# Altium PCB 飞镖电源TPS54202.PcbDoc
Units mil, origin at the board's own origin, x right, y up, seen from the top; angles counter-clockwise.
Board outline 1210 x 1210 mil, 2 copper layers (Top Layer, Bottom Layer); 21 components, 13 nets, 49 pads, 12 vias.
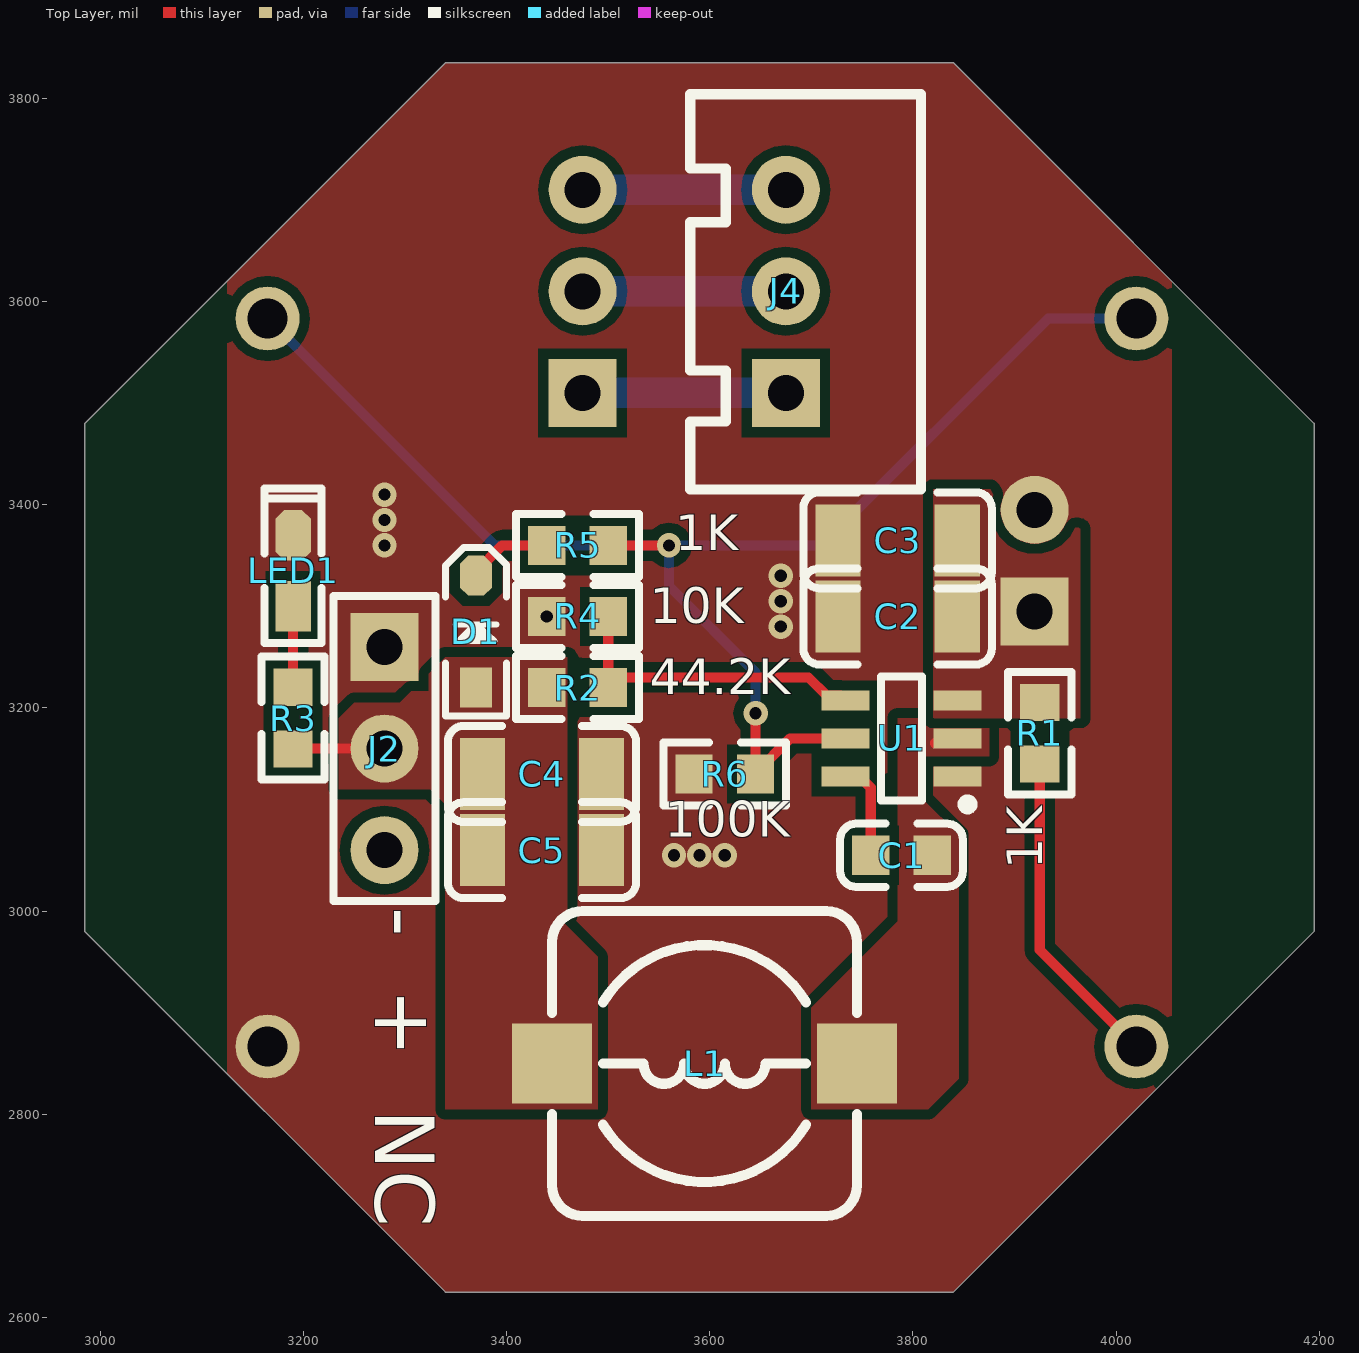
[diagram p0: Top Layer view]
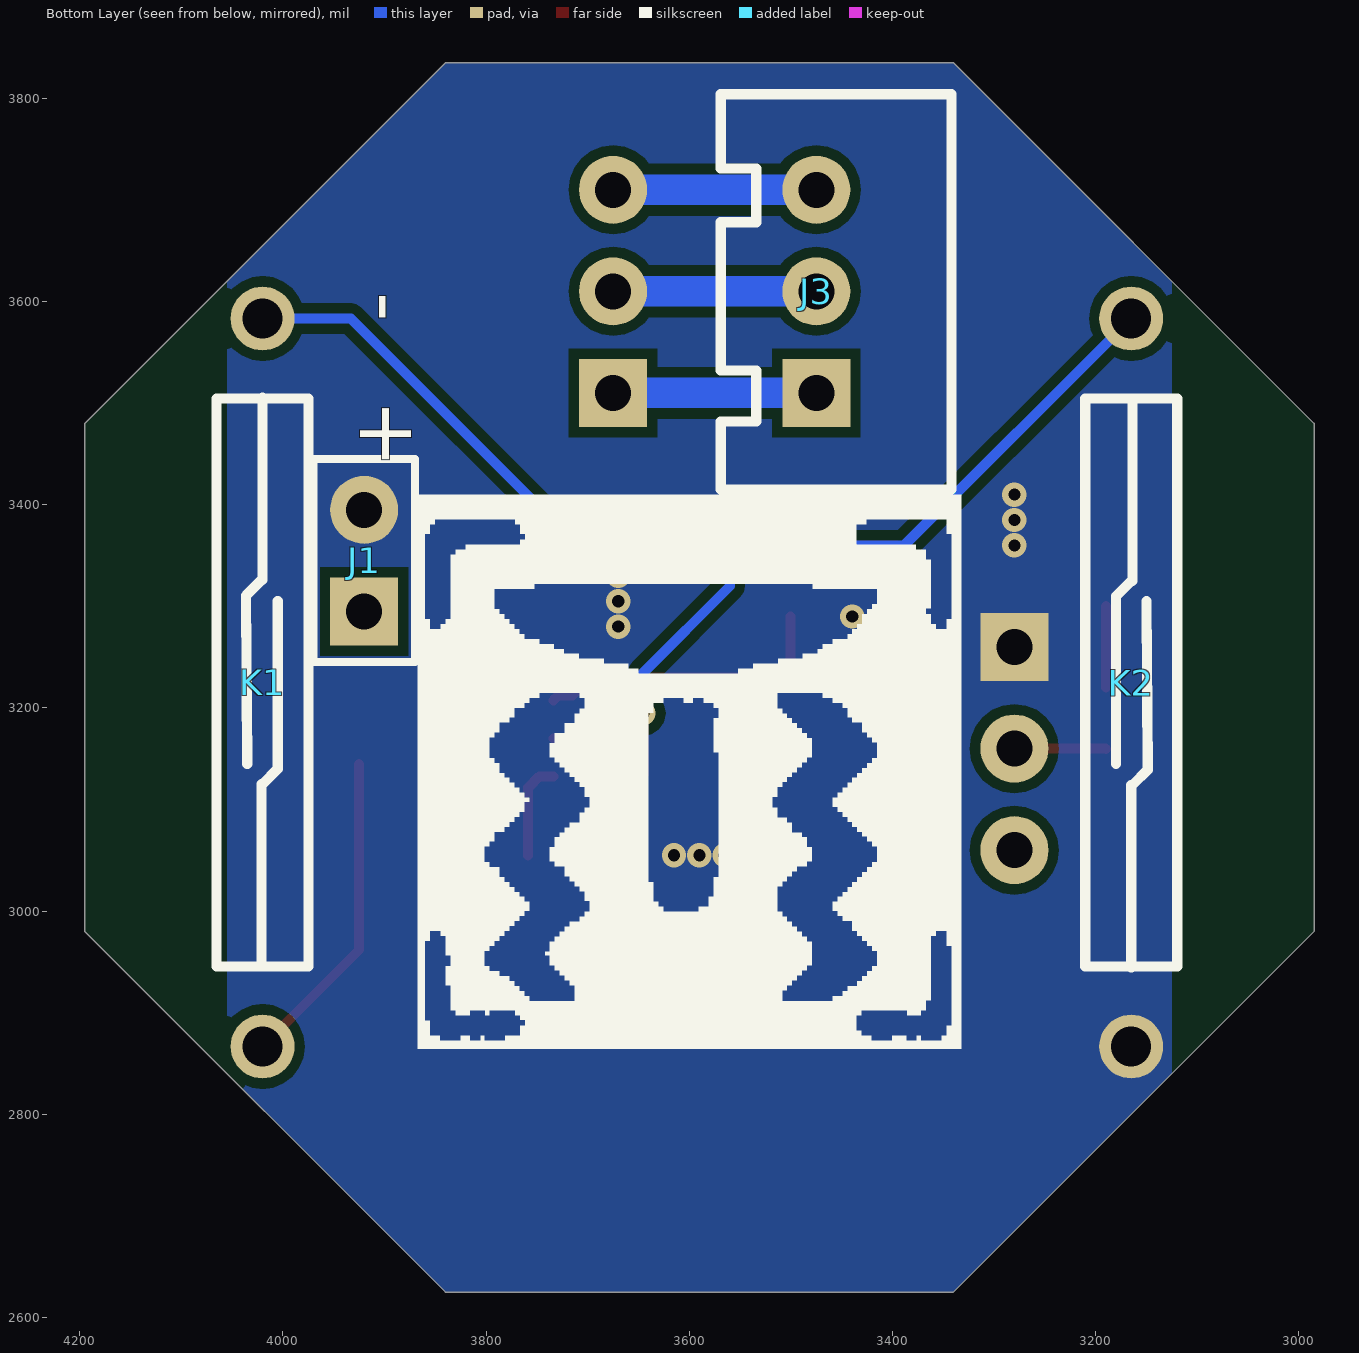
[diagram p1: Bottom Layer view, seen from below]

## Layer stack, top to bottom
Top Solder: solder mask 0.4, Solder Resist, Dk 3.5
Top Layer: signal copper 1.4
Dielectric 1: dielectric 12.6, FR-4, Dk 4.8
Bottom Layer: signal copper 1.4
Bottom Solder: solder mask 0.4, Solder Resist, Dk 3.5

## Board outline
2985,2980 2985,3480 3340,3835 3840,3835 4195,3480 4195,2980 3840,2625 3340,2625

## Design rules (kind name [scope] priority, off if disabled: settings)
Clearance [All] p1: gap=10 ignorepadtopadclearanceinfootprint=FALSE
PolygonConnect [All] p1: connectstyle=Direct reliefconductorwidth=10 reliefentries=4 polygonreliefangle="90 Angle" airgapwidth=10
RoutingVias [All] p1: holewidth=28 width=50 viastyle="Through Hole" minholewidth=28 minwidth=50 maxholewidth=28 maxwidth=50
SolderMaskExpansion [All] p1: expansion=4 istentingtop=FALSE
Width [All] p1: maxlimit=100 minlimit=10 preferedwidth=10
30 further rules are at their usual default settings.

## Components (designator, comment, footprint, x,y, rotation, side; value= is the part's Value field where it differs from the comment)
C1 "100nF" "C 0603" 3789.23,3055 r0 top
C2 "?F" "C 1206" 3785,3290 r0 top
C3 "?F" "C 1206" 3785,3365 r0 top
C4 "?F" "C 1206" 3435,3135 r180 top
C5 "?F" "C 1206" 3435,3060 r180 top
D1 "BAT760" SOD-323 3370,3275 r90 top
J1 "HDR  1X2" "HDR2.54 D-L-F-1X2P" 3920,3295 r90 bottom
J2 "HDR  1X3" "HDR2.54 D-L-F-1X3P" 3280,3260 r270 top
J3 "XH 3P" XH2.54-3P 3475,3510 r90 bottom
J4 "XH 3P" XH2.54-3P 3675,3510 r90 top
K1 "磁性开关" *MKA14103 4020,3225 r270 bottom
K2 "磁性开关" *MKA14103 3165,3225 r90 bottom
L1 "?H" "SMD 7*7*4" 3595,2850 r180 top
LED1 "LED 绿灯" "LED 0603-G" 3190.26,3335 r90 top
R1 "1K" "R 0603" 3925,3175 r90 top
R2 "44.2K" "R 0603" 3470,3220 r180 top
R3 "RES" "R 0603" 3190,3190 r270 top
R4 "10K" "R 0603" 3470,3290 r0 top
R5 "1K" "R 0603" 3470,3360 r180 top
R6 "100K" "R 0603" 3615,3135 r0 top
U1 "TPS54202" SOT23-6 3788.91,3170 r90 top

## Footprints (in the part's own frame and the unit in brackets; to place one, negate y for a bottom-side part, rotate by r counter-clockwise, add the part's x,y. Pads: shape width x height; smd on the part's side, far side on the other; paste and mask are expansions set on the pad)
*MKA14103 [mm] "干簧管，型号MKA14103"
  round 1.6 hole 1: 1(-9.1,0) 2(9.1,0)
  silkscreen extent -7.12,-1.15 7.1,1.15
"C 0603" [mm] "无极性贴片电容"
  rect 0.93x0.98 smd: 1(-0.778,0) 2(0.762,0)
  silkscreen extent -1.54,-0.79 1.53,0.79, body extent -0.81,-0.4 0.79,0.4, height 0.3
"C 1206" [mm] "无极性贴片电容"
  rect 1.13x1.8 smd: 1(-1.49,0) 2(1.49,0)
  silkscreen extent -2.36,-1.2 2.35,1.2, body extent -1.6,-0.81 1.6,0.79, height 1
"HDR2.54 D-L-F-1X2P" [mm] "排针，2脚"
  rect 1.7x1.7 hole 0.9: 1(0,0)
  round 1.7 hole 0.9: 2(2.54,0)
  silkscreen extent -1.27,-1.27 3.81,1.27, body extent -1.27,-1.27 3.81,1.27, height 8.5
"HDR2.54 D-L-F-1X3P" [mm] "排针，3脚"
  rect 1.7x1.7 hole 0.9: 1(0,0)
  round 1.7 hole 0.9: 2(2.54,0) 3(5.08,0)
  silkscreen extent -1.27,-1.27 6.35,1.27, body extent -1.27,-1.27 6.35,1.27, height 8.5
"LED 0603-G" [mil] "绿色0603LED"
  rect 50x35 smd: 1(-35,0.26)
  oct 50x35 smd: 2(35,0.26)
  silkscreen extent -71,-28 81,28, body extent -31,-16 32,16, height 24
"R 0603" [mm] "1/10W贴片电阻"
  rect 0.93x0.98 smd: 1(-0.77,0) 2(0.77,0)
  silkscreen extent -1.53,-0.79 1.54,0.79, body extent -0.85,-0.4 0.85,0.4, height 0.56
"SMD 7*7*4" [mm] "7.3*7.3*4.5mm（长宽高）"
  rect 2x2 smd: 1(-3.81,0) 2(3.81,0)
  silkscreen extent -3.81,-3.81 3.81,3.81, body extent -3.65,-3.65 3.65,3.65, height 4.5
SOD-323 [mm] "1.8x1.3X0.9mm（长宽高，不包括引脚）"
  rect 1x0.8 smd: 1(-1.4,0)
  oct 1x0.8 smd: 2(1.4,0)
  silkscreen extent -2.11,-0.76 2.11,0.76, body extent -1.34,-0.63 1.31,0.67, height 1
SOT23-6 [mm] "3x1.6x1.1mm(长宽高)"
  rect 0.5x1.2 smd: 1(-0.95,-1.4) 2(0,-1.4) 3(0.95,-1.4) 4(0.95,1.4) 5(0,1.4) 6(-0.95,1.4)
  silkscreen extent -1.78,-1.78 1.55,0.51, body extent -1.5,-1.4 1.5,1.4, height 1.15
XH2.54-3P [mm] "接插件，3P"
  rect 1.7x1.7 hole 0.9: 1(0,0)
  round 1.7 hole 0.9: 2(2.54,0) 3(5.08,0)
  silkscreen extent -2.41,-3.38 7.47,2.39, body extent -2.5,-3.3 7.58,2.4, height 7.03

## Part data
C1 C2 C3 C4 C5: library part CAP, "Capacitor"
D1: "肖特基二极管"
J1 J2 J3 J4: "Connector"
K1 K2: library part 干簧管, "开关", BOM_JLCPCB Part Class="Extended Part", BOM_Manufacturer=STANDEXMEDER, BOM_Manufacturer Part=KSK-SME560-1015, BOM_Supplier=LCSC, BOM_Supplier Part=C575284, Contributor=LCSC, spicePre=K, spiceSymbolName=KSK-SME560-1015
L1: library part Inductor, "Inductor", Code_IEC=1005, Code_JEITA=0402, LatestRevisionDate=17-Jul-2002, LatestRevisionNote="Re-released for DXP Platform.", PackageReference=0402-A, Published=8-Jun-2000, Publisher="Altium Limited"
LED1: "LED"
R1 R2 R4 R5 R6: library part RES, "Resistor"
R3: "Resistor"
U1: "DC-DC 降压芯片", BOM_JLCPCB Part Class="Extended Part", BOM_Manufacturer="SHOU HAN", BOM_Manufacturer Part=MSK12C02, BOM_Supplier=LCSC, BOM_Supplier Part=C431540, Contributor=LCSC, spicePre=S, spiceSymbolName=MSK12C02

## Via types
v1: diameter 24, hole 12, Top Layer to Bottom Layer, 12 vias

## Nets (pads, with @x,y where several pads share a name; then routed paths per layer and width w, separated by ;. In a path a pad name is that pad's centre, name@x,y a point inside that pad or via, vN(x,y) a via of type N, cw(c..) or ccw(c..) an arc to the next point about the centre after c; other vN are vias at no path point)
BAT: C2.2 C3.2 J1.1 R1.2 U1.3
GND: C2.1 C3.1 C4.1 C5.1 J1.2 J2.1 K2.1 LED1.2 R4.1 R6.1 U1.1
  other v1: 3565,3055 3590,3055 3615,3055 3670,3280 3439.69,3290 3670,3305 3670,3330 3280,3360 3280,3385 3280,3410
NetC1_1: C1.1 U1.6 | length 95.9
  Top Layer w10: U1.6 3747.57,3132.6 3758.6,3121.57 C1.1
NetC1_2: C1.2 L1.1 U1.2 | length 42.9
  Top Layer w10: C1.2@3805.92,3068.31 C1.2 ; U1.2@3821.91,3165.16 3839.19,3165.16 U1.2
NetD1_2: D1.2 R5.2 | length 84.4
  Top Layer w10: D1.2 3370,3334.06 3395.94,3360 R5.2
NetJ3_1: J3.1 J4.1 | length 200
  Bottom Layer w30: J3.1 J4.1
NetJ3_2: J3.2 J4.2 | length 200
  Bottom Layer w30: J3.2 J4.2
NetJ3_3: J3.3 J4.3 | length 200
  Bottom Layer w30: J3.3 J4.3
NetK1_1: K1.1 K2.2 R5.1 R6.2 U1.5 | length 1462.6
  Top Layer w10: R5.1 v1(3560,3360) ; R6.2 R6.2@3645.32,3135.98 ; v1(3645.32,3194.68) R6.2@3645.32,3135.98 ; U1.5 3679.33,3170 R6.2@3645.32,3135.98
  Bottom Layer w10: K2.2 3388.27,3360 v1(3560,3360) ; v1(3645.32,3194.68) 3645.32,3234.68 3560,3320 v1(3560,3360) ; K1.1 3933.27,3583.27 3710,3360 v1(3560,3360)
NetK1_2: K1.2 R1.1 | length 317.3
  Top Layer w10: R1.1 3925,2961.73 K1.2
NetLED1_1: LED1.1 R3.1 | length 79.7
  Top Layer w10: R3.1 LED1.1
NetR2_1: R2.1 R4.2 U1.4 | length 317
  Top Layer w10: R4.2 R2.1 3510.31,3230 3697.42,3230 3715.17,3212.24 3728.95,3212.24 U1.4
VOUT: C4.2 C5.2 D1.1 J2.2 L1.2 R2.2 R3.2 | length 90.1
  Top Layer w10: R3.2 3190.32,3160 J2.2
pads on no net: J2.3

## Polygon pours and split planes (outlines as drawn)
GND on Top Layer "GND_L01_P005" (solid, pour order 5): 2985,2980 2985,3480 3340,3835 3840,3835 4195,3480 4195,2980 3840,2625 3340,2625
VOUT on Top Layer "NONET_L-01_P-001" (solid, pour order 2): 3490,2805 3490,2955 3455,2990 3460,2995 3460,3250 3340,3250 3295,3205 3250,3205 3235,3190 3235,3120 3325,3120 3340,3105 3340,2805
NetC1_2 on Top Layer "NONET_L-01_P-001" (solid, pour order 1): 3875,3190 3875,3145 3810,3145 3810,3110 3845,3075 3845,2835 3815,2805 3700,2805 3700,2905 3785,2990 3785,3190
BAT on Top Layer "NONET_L-01_P-001" (solid, pour order 0): 3820,3415 3965,3415 3965,3190 3820,3190
GND on Bottom Layer "GND_L02_P006" (solid, pour order 6): 2985,2980 2985,3480 3340,3835 3840,3835 4195,3480 4195,2980 3840,2625 3340,2625

## Other copper
Multi-Layer:
  pour cut-out: 4195,3690 4195,2785 4055,2785 4055,3690
  pour cut-out: 2985,2785 2985,3675 3125,3675 3125,2785

## Silkscreen, mask and mechanical layers (free items; w line width, h text height)
Top Overlay:
  text "1K" at 3566,3343.57 h60
  text "10K" at 3541,3271.55 h60
  text "44.2K" at 3541,3201.55 h60
  text "100K" at 3555.69,3061.55 h60
  text "1K" at 3939,3041 h60 r90
  text "-  +  NC" at 3251.93,3003.91 h100 r270
Bottom Overlay:
  region: 7 vertices and 8 holes, not listed, extent 3332.5,2864.76 3867.5,3409.76
  text "-   +" at 3943.07,3608.91 h100 r90
Mechanical 1:
  lines w10: 2985,2980 3340,2625 3590,2625 3840,2625 4195,2980 4195,3230 4195,3480 3840,3835 3590,3835 3340,3835 2985,3480 2985,3230 2985,2980